# Altium PCB PCB_MPPT_21062020.PcbDoc (part 2 of 3)
Units mm, origin at the board's own origin, x right, y up, seen from the top; angles counter-clockwise.
Board outline 100 x 200 mm, 4 copper layers (Top Layer, INT1, INT2, Bottom Layer), stack 1.49 mm thick; 264 components, 155 nets, 784 pads, 240 vias.
Unrouted connection lines stored in the file: 13.
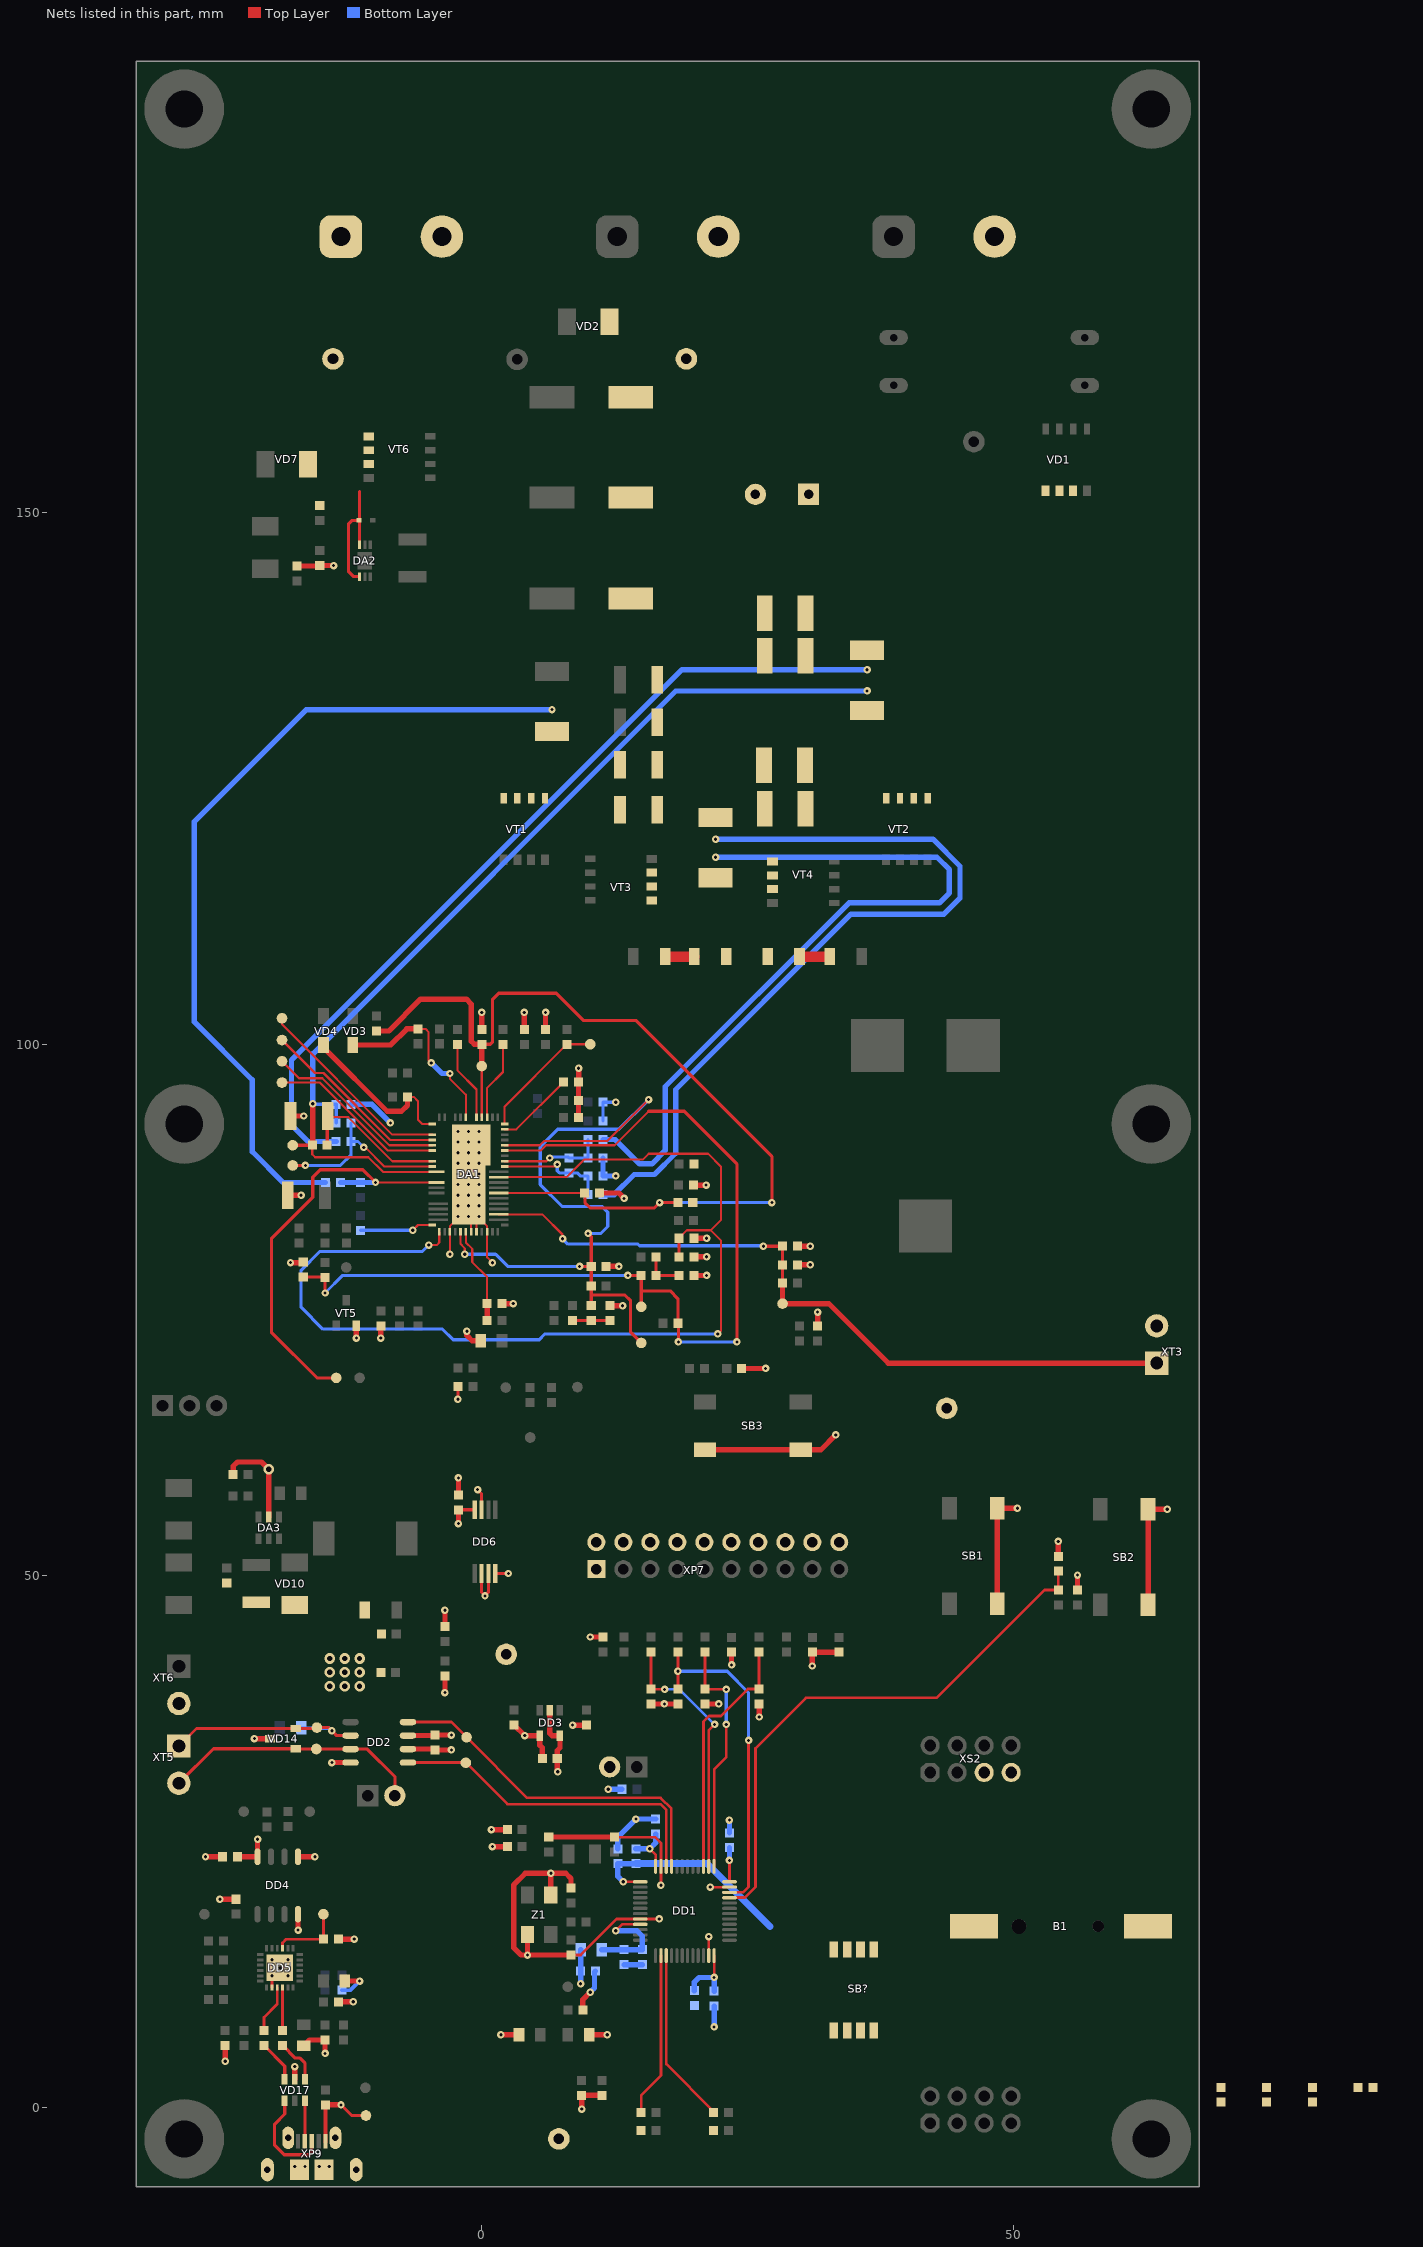
[diagram p4: the nets of this part, all layers, seen from the top]

## Part data
1 2 3 4 5 6 7 8 9 10 11 12 13 14 15 16 17 18 39 40 41 42 44 45 47 48 49 50: library part "TEST point", "Êîíòàêòíàÿ ïëîùàäêà áåç êîìïîíåíòà"
C1 C2 C3: library part Aluminium, Manufacturer=Panasonic, Package="8x8.3x10.5 mm", PartNumber=EEH-ZA1J330P, Temperature=-55...+105°C, Tolerance=±20%, TypeCapacitor=EP-cap, Voltage=63V, HelpURL=https://www.digikey.com/product-detail/en/panasonic-electronic-components/EEH-ZA1J330P/P15448CT-ND/3088162, Impedance=40mOhm, ValueManufacturerPartNumber="EP-cap, 33mk, 63V, ±20%"
C4 C5 C6 C7 C25 C40 C42: library part Ceramic_1210, Manufacturer=AVX, Package=1210, PartNumber=12101C225KAT2A, Temperature=-55...+125°C, Tolerance=±10%, TypeCapacitor="CAP CER", TypeDielectric=X7R, Voltage=100V, HelpURL=https://www.digikey.com/product-detail/en/avx-corporation/12101C225KAT2A/478-7974-1-ND/3881597, ValueManufacturerPartNumber="CAP CER, 2.2mk, X7R, ±10%, 100V, 1210"
  C40 C42: ClassName=Polygon_direct
C8 C9 C11 C12: library part Ceramic_1812, Manufacturer=TDK, Package=1812, PartNumber=C4532X7S2A475M230KB, Temperature=-55...+125°C, Tolerance=±20%, TypeCapacitor="CAP CER", TypeDielectric=X7S, Voltage=100V, HelpURL=https://www.digikey.com/product-detail/en/tdk-corporation/C4532X7S2A475M230KB/445-5211-1-ND/2116346, ValueManufacturerPartNumber="CAP CER, 4.7mk, X7S, ±20%, 100V, 1812"
C13: library part Aluminium, Manufacturer="United Chemi-Con", Package="dia=12.5 x h=25 x step=5 mm", PartNumber=EKZE101ELL221MK25S, Temperature=-40...+105°C, Tolerance=±20%, TypeCapacitor="CAP ALUM", Voltage=100V, ESR=47mOhm, HelpURL=https://www.digikey.com/product-detail/en/united-chemi-con/EKZE101ELL221MK25S/565-1739-ND/756255, ValueManufacturerPartNumber="CAP ALUM, 220mk, 100V, ±20%"
C14 C17 C33 C35 C46 C55: library part Ceramic_0603, Manufacturer=AVX, Package=0603, PartNumber=06031C103KAT2A, Temperature=-55...+125°C, Tolerance=±10%, TypeCapacitor="CAP CER", TypeDielectric=X7R, Voltage=100V, HelpURL=https://www.digikey.com/product-detail/en/avx-corporation/06031C103KAT2A/478-1205-2-ND/563315, ValueManufacturerPartNumber="CAP CER, 0.01mk, X7R, ±10%, 100V, 0603"
C15 C16: library part Ceramic_0603, Manufacturer=Murata, Package=0603, PartNumber=GRM188R71C474KA88D, Temperature=-55...+125°C, Tolerance=±10%, TypeCapacitor="CAP CER", TypeDielectric=X7R, Voltage=16V, HelpURL=https://www.digikey.com/product-detail/en/murata-electronics/GRM188R71C474KA88D/490-3295-1-ND/702836, ValueManufacturerPartNumber="CAP CER, 0.47mk, X7R, ±10%, 16V, 0603"
C18 C19: library part Ceramic_1206, Manufacturer=AVX, Package=1206, PartNumber=12061A102KAT2A, Temperature=-55...+125°C, Tolerance=±10%, TypeCapacitor="CAP CER", TypeDielectric=NP0, Voltage=100V, HelpURL=https://www.digikey.com/product-detail/en/avx-corporation/12061A102KAT2A/478-5168-1-ND/1913258, ValueManufacturerPartNumber="CAP CER, 1000p, NP0, ±10%, 100V, 1206"
C20: library part Ceramic_0603, Manufacturer=AVX, Package=0603, PartNumber=0603YC102MAT4A, Temperature=-55...+125°C, Tolerance=±20%, TypeCapacitor="CAP CER", TypeDielectric=X7R, Voltage=16V, HelpURL=https://www.digikey.com/products/en?keywords=0603YC102MAT4A, ValueManufacturerPartNumber="CAP CER, 1n, X7R, ±20%, 16V, 0603"
C21 C22: library part Ceramic_0603, Manufacturer=AVX, Package=0603, PartNumber=0603YC332MAT4A, Temperature=-55...+125°C, Tolerance=±20%, TypeCapacitor="CAP CER", TypeDielectric=X7R, Voltage=16V, HelpURL=https://www.digikey.com/products/en?keywords=0603YC102MAT4A, ValueManufacturerPartNumber="CAP CER, 3.3n, X7R, ±20%, 16V, 0603"
C23 C24: library part Ceramic_0603, Manufacturer=AVX, Package=0603, PartNumber=0603YD224KAT2A, Temperature=-55...+85°C, Tolerance=±20%, TypeCapacitor="CAP CER", TypeDielectric=X5R, Voltage=16V, HelpURL=https://www.digikey.com/product-detail/en/avx-corporation/0603YD224KAT2A/478-1246-1-ND/564278, ValueManufacturerPartNumber="CAP CER, 0.22mk, X5R, ±20%, 16V, 0603"
C26 C34 C38 C43 C44: library part Ceramic_0603, Manufacturer=AVX, Package=0603, PartNumber=06031C104KAT2A, Temperature=-55...+125°C, Tolerance=±10%, TypeCapacitor="CAP CER", TypeDielectric=X7R, Voltage=100V, HelpURL=https://www.digikey.com/product-detail/en/avx-corporation/06031C104KAT2A/478-10047-1-ND/6564270, ValueManufacturerPartNumber="CAP CER, 0.1mk, X7R, ±10%, 100V, 0603"
  C43 C44: ClassName=Polygon_direct
C27 C32 C53: library part Ceramic_0603, Manufacturer=AVX, Package=0603, PartNumber=0603YC105KAT2A, Temperature=-55...+125°C, Tolerance=±10%, TypeCapacitor="CAP CER", TypeDielectric=X7R, Voltage=16V, HelpURL=https://www.digikey.com/product-detail/en/avx-corporation/0603YC105KAT2A/478-5010-1-ND/1888221, ValueManufacturerPartNumber="CAP CER, 1mk, X7R, ±10%, 16V, 0603"
C28: library part Ceramic_1210, Manufacturer=AVX, Package=1210, PartNumber=12101C105KAT2A, Temperature=-55...+125°C, Tolerance=±10%, TypeCapacitor="CAP CER", TypeDielectric=X7R, Voltage=100V, HelpURL=https://www.digikey.com/product-detail/en/avx-corporation/12101C105KAT2A/478-2570-1-ND/717515, ValueManufacturerPartNumber="CAP CER, 1mk, X7R, ±10%, 100V, 1210"
C29 C30 C56: library part Ceramic_0603, Manufacturer=AVX, Package=0603, PartNumber=0603ZD225KAT2A, Temperature=-55...+85°C, Tolerance=±10%, TypeCapacitor="CAP CER", TypeDielectric=X5R, Voltage=10V, HelpURL=https://www.digikey.com/product-detail/en/avx-corporation/0603ZD225KAT2A/478-6212-1-ND/2391411, ValueManufacturerPartNumber="CAP CER, 2.2mk, X5R, ±10%, 10V, 0603"
C31 C67 C72: library part Ceramic_0805, Manufacturer=AVX, Package=0805, PartNumber=0805YC475KAT2A, Temperature=-55...+125°C, Tolerance=±10%, TypeCapacitor="CAP CER", TypeDielectric=X7R, Voltage=16V, HelpURL=https://www.digikey.com/product-detail/en/avx-corporation/0805YC475KAT2A/478-5722-1-ND/2136330, ValueManufacturerPartNumber="CAP CER, 4.7mk, X7R, ±10%, 16V, 0805"
C36: library part Ceramic_0603, Manufacturer=AVX, Package=0603, PartNumber=0603YC683KAT2A, Temperature=-55...+125°C, Tolerance=±10%, TypeCapacitor="CAP CER", TypeDielectric=X7R, Voltage=16V, HelpURL=https://www.digikey.com/product-detail/en/avx-corporation/0603YC683KAT2A/478-1237-1-ND/564269, ValueManufacturerPartNumber="CAP CER, 0.068mk, X7R, ±10%, 16V, 0603"
C37: library part Ceramic_0603, Manufacturer=AVX, Package=0603, PartNumber=06033A221JAT2A, Temperature=-55...+125°C, Tolerance=±5%, TypeCapacitor="CAP CER", TypeDielectric=X7R, Voltage=25V, HelpURL=https://www.digikey.com/product-detail/en/avx-corporation/06033A221JAT2A/478-12678-2-ND/1599160, ValueManufacturerPartNumber="CAP CER, 220p, X7R, ±5%, 25V, 0603"
C39: library part Ceramic_0603, Manufacturer=AVX, Package=0603, PartNumber=06035C682KAT2A, Temperature=-55...+125°C, Tolerance=±10%, TypeCapacitor="CAP CER", TypeDielectric=X7R, Voltage=50V, HelpURL=https://www.digikey.com/product-detail/en/avx-corporation/06035C682KAT2A/478-1225-1-ND/564257, ValueManufacturerPartNumber="CAP CER, 6.8n, X7R, ±10%, 50V, 0603"
C41: library part Ceramic_0805, Manufacturer=AVX, Package=0805, PartNumber=08051C104JAT2A, Temperature=-55...+125°C, Tolerance=±10%, TypeCapacitor="CAP CER", TypeDielectric=X7R, Voltage=100V, ClassName=Polygon_direct, HelpURL=https://www.digikey.com/product-detail/en/avx-corporation/08051C104JAT2A/478-5780-1-ND/2136372, ValueManufacturerPartNumber="CAP CER, 0.1mk, X7R, ±10%, 100V, 0805"
C45: library part Ceramic_1206, Manufacturer=TDK, Package=1206, PartNumber=C3216X5R1E476M160AC, Temperature=-55...+85°C, Tolerance=±10%, TypeCapacitor="CAP CER", TypeDielectric=X5R, Voltage=25V, ClassName=Polygon_direct, HelpURL=https://www.digikey.com/product-detail/en/tdk-corporation/C3216X5R1E476M160AC/445-8047-1-ND/2792164, ValueManufacturerPartNumber="CAP CER, 47mk, X5R, ±10%, 25V, 1206"
C51 C52 C54 C57 C60 C63 C64 C65 C66 C68 C69 C70 C71 C77: library part Ceramic_0603, Manufacturer=AVX, Package=0603, PartNumber=0603YC104KAT2A, Temperature=-55...+125°C, Tolerance=±10%, TypeCapacitor="CAP CER", TypeDielectric=X7R, Voltage=16V, HelpURL=https://www.digikey.com/product-detail/en/avx-corporation/0603YC104KAT2A/478-1239-1-ND/564271, ValueManufacturerPartNumber="CAP CER, 0.1mk, X7R, ±10%, 16V, 0603"
  C70 C71: ClassName=Polygon_direct
C61 C62: library part Ceramic_0603, Manufacturer=AVX, Package=0603, PartNumber=06035A160JAT2A, Temperature=-55...+125°C, Tolerance=±5%, TypeCapacitor="CAP CER", TypeDielectric=NP0, Voltage=50V, HelpURL=https://www.digikey.com/product-detail/en/avx-corporation/06035A160JAT2A/478-10292-1-ND/6797449, ValueManufacturerPartNumber="CAP CER, 16p, NP0, ±5%, 50V, 0603"
C74 C75: library part Ceramic_0603, Manufacturer=YAGEO, Package=0603, PartNumber=CC0603DRNPO9BN6R8, Temperature=-55...+125°C, Tolerance=±0.5pF, TypeCapacitor="CAP CER", TypeDielectric=NP0, Voltage=50V, HelpURL=https://www.electronshik.ru/item/YAG/CC0603DRNPO9BN6R8, ValueManufacturerPartNumber="CAP CER, 6.8p, NP0, ±0.5pF, 50V, 0603"
C76: library part Ceramic_0603, Manufacturer=AVX, Package=0603, PartNumber=0603ZD106MAT2A, Temperature=-55...+85°C, Tolerance=±10%, TypeCapacitor="CAP CER", TypeDielectric=X5R, Voltage=10V, HelpURL=https://www.digikey.com/product-detail/en/avx-corporation/0603ZD106MAT2A/478-8050-1-ND/3900666, ValueManufacturerPartNumber="CAP CER, 10mk, X5R, ±10%, 10V, 0603"
DA1: "BUCK-BOOST BAT CH", Battery Pack Voltage="1.3V ~ 80V", Frequency="over 300kHz", Manufacturer="Linear Technology", Package="64-QFN (7x11)", Temperature=-40...+125°C, ValueManufacturerPartNumber="Charger IC Lead Acid 64-QFN (7x11)", VoltageInput="80V max", ComponentType="DC/DC buck converter", HelpURL=https://www.digikey.com/product-detail/en/linear-technology-analog-devices/LT8491EUKJ-PBF/161-LT8491EUKJ-PBF-ND/11586954, PartNumber=LT8491EUKJ#PBF
DA2: library part LTC4359CDCB, "Ideal Diode Controller", Manufacturer="Linear Technology/Analog Devices", Package="6-DFN (2x3)", Temperature=-0...+70°C, VoltageInput="input 4...80V", ClassName=Polygon_direct, ComponentType="IC, Ideal Diode Controller", HelpURL=https://www.digikey.com/product-detail/en/linear-technology-analog-devices/LTC4359CDCB-TRMPBF/LTC4359CDCB-TRMPBFCT-ND/5223322, PartNumber=LTC4359CDCB, ValueManufacturerPartNumber="IC, Ideal Diode Controller, 6-DFN (2x3)"
DA3: library part LMR16006YDDCR, "Buck converter", CurrentOutput=0.6A, Frequency=2.1MHz, Manufacturer="Texas Instruments", Package=SOT23-6, Temperature=-40...+125°C, VoltageInput=4...60V, VoltageOutput=0.765...55V, ClassName=Polygon_direct, ComponentType="DC/DC buck converter", HelpURL=https://www.digikey.com/product-detail/en/texas-instruments/LMR16006YDDCR/296-40294-1-ND/5178171, PartNumber=LMR16006YDDCR, ValueManufacturerPartNumber="DC/DC buck converter, SOT23-6"
DD1: library part STM32F334C4T6, "Cortex-M4", Manufacturer=STMicroelectronics, Package=48-LQFP, PartNumber=STM32F334C8T6, Temperature=-40...+85°C, ComponentType="IC microcontroller", CoreProcessor=Cortex-M4, CoreSize=32-Bit, HelpURL=https://www.digikey.com/products/en?keywords=STM32F334C4T6, MemoryRAM=12KB, MemoryROM=64KB, Speed=72MHz, Supply=2...3.6V, ValueManufacturerPartNumber="IC microcontroller, 32-Bit, Cortex-M4, 72MHz, 64KB, 12KB, 48-LQFP"
DD2: library part SN65HVD231DR, "CAN", Manufacturer="Texas Instruments", Package=8-SOIC, Temperature=-40...+85°C, ComponentType="IC CAN transceiver", DataRate=1Mbps, HelpURL=https://www.digikey.com/product-detail/en/texas-instruments/SN65HVD231DR/296-26343-1-ND/2254977, PartNumber=SN65HVD231DR, Supply=3...3.6V, TypeDuplex=Half-duplex, ValueManufacturerPartNumber="IC CAN transceiver, 8-SOIC"
DD3: library part 24AA01T, "EEPROM", Manufacturer="Microchip Technology", Package=SOT-23-5, PartNumber=24CW1280T-I/OT, Temperature=-40...+85°C, ComponentType=EEPROM, HelpURL=https://www.digikey.com/product-detail/en/microchip-technology/24CW1280T-I-OT/24CW1280T-I-OTDKR-ND/9607118, InterfaceData=I2C, MemorySize="128KB (16Kx8)", Speed="400 kHz", Supply=1.7...5.5V, ValueManufacturerPartNumber="EEPROM, 128KB (16Kx8), 400 kHz, I2C, SOT-23-5"
DD4: library part ISO7721DR, "Digital isolator", Manufacturer="Texas Instruments", Package=8-SOIC, Temperature=-55...+125°C, ComponentType="IC digital isolator", DataRate=100Mbps, HelpURL=https://www.digikey.com/product-detail/en/texas-instruments/ISO7721DR/296-48296-1-ND/8347715, Isolation=3000Vrms, PartNumber=ISO7721DR, Supply=2.25...5.5V, ValueManufacturerPartNumber="IC digital isolator, 8-SOIC"
DD5: library part CP2102N_QFN24, "USB-to-UART", Manufacturer="Silicon Labs", Package=24-QFN(4x4), PartNumber=CP2102N-A02-GQFN24, Temperature=-40...+85°C, ComponentType="USB Bridge, USB to UART", HelpURL=https://www.digikey.com/product-detail/en/silicon-labs/CP2102N-A02-GQFN24/336-5887-ND/9863476, Standard=USB2.0, Supply=3...3.6V, ValueManufacturerPartNumber="USB Bridge, USB to UART, USB2.0, 24-QFN(4x4)"
DD6: library part AT24CM01-XHM-T, "EEPROM", Manufacturer="Microchip Technology", Package=8-TSSOP, Temperature=-40...+85°C, ValueManufacturerPartNumber="EEPROM Memory IC 1Mb (128K x 8) I?C 1MHz 550ns 8-TSSOP", ComponentType=EEPROM, HelpURL=https://www.digikey.com/product-detail/en/microchip-technology/AT24CM01-XHM-T/AT24CM01-XHM-TTR-ND/3913189, InterfaceData=I2C, MemorySize="1Mb (128K x 8)", PartNumber=AT24CM01-XHM-T, Speed=1MHz, Supply=1.7...5.5V
FU1: library part Fuse, Manufacturer=Littelfuse, MaxCurrent=10A, Package=5x20mm, PartNumber=01110506Z, VoltageMax=250VAC, FUSE=https://www.digikey.com/product-detail/en/bel-fuse-inc/5HT-10-R/507-1217-ND/1008989, HelpURL=https://www.digikey.com/product-detail/en/littelfuse-inc/01110506Z/F4083-ND/2519783, TypeFuse="FUSE CLIP", ValueManufacturerPartNumber="FUSE CLIP, 250VAC, 10A, 5x20mm"
JP2 JP3: library part Jumper_single, CurrentMax=3A, Manufacturer="Wurth Elektronik", PartNumber=61300411121, VoltageMax=500VAC, HelpURL=https://www.digikey.com/product-detail/en/w-rth-elektronik/61300411121/732-5317-ND/4846827, Multichannel=2pin, Pitch=2.54mm, TypeConnector="PLS-2 SINGLE ROW", ValueManufacturerPartNumber="PLS-2 SINGLE ROW, 2pin, 2.54mm, 500VAC, 3A"
  JP2: CommentText="\"120R\""
  JP3: CommentText="\"BOOT\""
JP4: library part Jumper_3pin, "PLS-3", CurrentMax=3A, Manufacturer=Connfly, PartNumber=DS1021-1x3, VoltageMax=500VAC, CommentText=PLS-3, HelpURL=https://www.chipdip.ru/product/pls-3?from=suggest_product, Multichannel=3pin, Pitch=2.54mm, TypeConnector="PLS-3 SINGLE ROW", ValueManufacturerPartNumber="PLS-3 SINGLE ROW, 3pin, 2.54mm, 500VAC, 3A"
L1: library part Inductor_R22.9/14/7.62, Current=12A, Manufacturer="Wurth Elektronik", Package="SMD Shielded", PartNumber=7443633300, Tolerance=±15%, TypeInductor="Fixed inductor", ClassName=Polygon_direct, HelpURL=https://www.digikey.com/product-detail/en/w-rth-elektronik/7443633300/732-2524-1-ND/2440407, HelpURL1=https://www.digikey.com/product-detail/en/w%C3%BCrth-elektronik/7443632200/732-2523-1-ND/2440406, TypeMatiriel="Ferrite (MnZn)", ValueManufacturerPartNumber="Fixed inductor, 22mkH, ±15%, SMD Shielded, Ferrite (MnZn), , 12A"
L2: library part Inductor_R22.9/14/7.62, Current=1.7A, Manufacturer="Bourns Inc.", Package="SMD Nonstandard", PartNumber=SRU8043-330Y, Tolerance=±15%, TypeInductor="Fixed inductor", ClassName=Polygon_direct, HelpURL=https://www.digikey.com/product-detail/en/bourns-inc/SRU8043-330Y/SRU8043-330YCT-ND/2353063, TypeMatiriel=Ferrite, ValueManufacturerPartNumber="Fixed inductor, 33mkH, ±15%, SMD Nonstandard, Ferrite, , 1.7A"
L3: library part Inductor_0805, Manufacturer="Murata Electronics", MaxCurrent=250mA, Package=0805, PartNumber=LQM21DH100M70L, Temperature=-55...+125°C, Tolerance=±20%, TypeInductor="Fixed inductor", ValueManufacturerPartNumber="Fixed inductor, 10?H, ±20%, 0805, 250mA", HelpURL=https://www.digikey.com/product-detail/en/murata-electronics/LQM21DH100M70L/490-18463-1-ND/10135474
NT1: library part NetTie, ClassName=Polygon_direct
R1: library part Resistor_2512, Manufacturer=Vishay, Package=2512, PartNumber=WSL25125L000FEA18, Power=2W, Temperature=-55...+125°C, Tolerance=±1%, TypeResistor="Res, SMD", HelpURL=https://www.digikey.com/product-detail/en/vishay-dale/WSL25125L000FEA18/WSLH-.005CT-ND/2695193, ValueManufacturerPartNumber="Res, SMD, 0.005, ±1%, 2512, 2W"
R2: library part Resistor_2512, Manufacturer=Vishay, Package=2512, PartNumber=WSL2512R0250FEA18, Power=2W, Temperature=-55...+125°C, Tolerance=±1%, TypeResistor="Res, SMD", HelpURL=https://www.digikey.com/product-detail/en/vishay-dale/WSL2512R0250FEA18/WSLH-.025CT-ND/2695207, HelpURL1=https://www.digikey.com/product-detail/en/vishay-dale/WSL2512R0120FEA18/WSLH-012TR-ND/2695048, ValueManufacturerPartNumber="Res, SMD, 0.012, ±1%, 2512, 2W"
R3 R4 R5 R14 R15: library part Resistor_0603, Manufacturer=Vishay, Package=0603, PartNumber=CRCW060310R0JNEAC, Power=0.1W, Temperature=-55...+125°C, Tolerance=±5%, TypeResistor="Res, SMD", HelpURL=https://www.digikey.com/product-detail/en/vishay-dale/CRCW060310R0JNEAC/541-4057-1-ND/7928740, ValueManufacturerPartNumber="Res, SMD, 10, ±5%, 0603, 0.1W"
R6 R7: library part Resistor_1206, Manufacturer=Vishay, Package=1206, PartNumber=CRCW12061R20FKEA, Power=0.25W, Temperature=-55...+125°C, Tolerance=±5%, TypeResistor="Resistor film", HelpURL=https://www.digikey.com/product-detail/en/vishay-dale/CRCW12061R20FKEA/541-1.20FFCT-ND/1962233, ValueManufacturerPartNumber="Resistor film, 1.2, ±5%, 1206, 0.25W"
R8 R9 R10 R11 R13: library part Resistor_0603, Manufacturer=Vishay, Package=0603, PartNumber=CRCW06033R00JNEA, Power=0.1W, Temperature=-55...+125°C, Tolerance=±5%, TypeResistor="Res, SMD", HelpURL=https://www.digikey.com/product-detail/en/vishay-dale/CRCW06033R00JNEA/541-3.0GCT-ND/1179308, ValueManufacturerPartNumber="Res, SMD, 3, ±5%, 0603, 0.1W"
R12: library part Resistor_2512, Manufacturer=Vishay, Package=2512, PartNumber=WSL25126L000FEA18, Power=2W, Temperature=-55...+125°C, Tolerance=±1%, TypeResistor="Res, SMD", HelpURL=https://www.digikey.com/product-detail/en/vishay-dale/WSL25126L000FEA18/WSLH-.006CT-ND/2695194, HelpURL1=https://www.digikey.com/product-detail/en/vishay-dale/WSL2512R0150FEA18/WSLH-015TR-ND/2695051, ValueManufacturerPartNumber="Res, SMD, 0.010, ±1%, 2512, 2W"
R16 R21 R37 R40 R43 R45 R54 R89 R112: library part Resistor_0603, Manufacturer=Vishay, Package=0603, PartNumber=CRCW06030000Z0EA, Power=0.1W, Temperature=-55...+125°C, Tolerance=±1%, TypeResistor="Res, SMD", HelpURL=https://www.digikey.com/product-detail/en/vishay-dale/CRCW06030000Z0EA/541-0.0GCT-ND/1179296, ValueManufacturerPartNumber="Res, SMD, 0, ±1%, 0603, 0.1W"
  R37 R45: ShowComment=OPT
  R54: ClassName=Polygon_direct
R17: library part Resistor_0603, Manufacturer=Vishay, Package=0603, PartNumber=CRCW060391K0FKEA, Power=0.1W, Temperature=-55...+125°C, Tolerance=±1%, TypeResistor="Res, SMD", ValueManufacturerPartNumber="Res, SMD, 107k, ±1%, 0603, 0.1W"
R18: library part Resistor_0603, Manufacturer=Vishay, Package=0603, PartNumber=CRCW06031M00FKEA, Power=0.1W, Temperature=-55...+125°C, Tolerance=±1%, TypeResistor="Res, SMD", ValueManufacturerPartNumber="Res, SMD, 820k, ±1%, 0603, 0.1W"
R19: library part Resistor_0603, Manufacturer=Vishay, Package=0603, PartNumber=CRCW0603196KFKEA, Power=0.1W, Temperature=-55...+125°C, Tolerance=±1%, TypeResistor="Res, SMD", HelpURL=https://www.digikey.com/product-detail/en/vishay-dale/CRCW0603196KFKEA/541-196KHCT-ND/1180069, ValueManufacturerPartNumber="Res, SMD, 196k, ±1%, 0603, 0.1W"
R20 R53 R101 R102 R105 R108: library part Resistor_0603, Manufacturer=Vishay, Package=0603, PartNumber=CRCW06031K00FKEA, Power=0.1W, Temperature=-55...+125°C, Tolerance=±1%, TypeResistor="Res, SMD"
  R20: ValueManufacturerPartNumber="Res, SMD, 0, ±1%, 0603, 0.1W"
  R53 R101 R102 R108: HelpURL=https://www.digikey.com/product-detail/en/vishay-dale/CRCW06031K00FKEA/541-1.00KHCT-ND/1179809, ValueManufacturerPartNumber="Res, SMD, 1k, ±1%, 0603, 0.1W"
  R105: ClassName=Polygon_direct, HelpURL=https://www.digikey.com/product-detail/en/vishay-dale/CRCW06031K00FKEA/541-1.00KHCT-ND/1179809, ValueManufacturerPartNumber="Res, SMD, 1k, ±1%, 0603, 0.1W"
R22 R110: library part Resistor_0603, Manufacturer=Vishay, Package=0603, PartNumber=CRCW060322K6FKEA, Power=0.1W, Temperature=-55...+125°C, Tolerance=±1%, TypeResistor="Res, SMD"
  R22: ValueManufacturerPartNumber="Res, SMD, 24k, ±1%, 0603, 0.1W"
  R110: HelpURL=https://www.digikey.com/product-detail/en/vishay-dale/CRCW060322K6FKEA/541-22.6KHCT-ND/1179962, ValueManufacturerPartNumber="Res, SMD, 22.6k, ±1%, 0603, 0.1W"
R23: library part Resistor_0603, Manufacturer=Vishay, Package=0603, PartNumber=CRCW0603115KFKEA, Power=0.1W, Temperature=-55...+125°C, Tolerance=±1%, TypeResistor="Res, SMD", ValueManufacturerPartNumber="Res, SMD, 120k, ±1%, 0603, 0.1W"
R24 R56: library part Resistor_0603, Manufacturer=Vishay, Package=0603, PartNumber=CRCW060328K0FKEAHP, Power=0.1W, Temperature=-55...+125°C, Tolerance=±1%, TypeResistor="Res, SMD"
  R24: ValueManufacturerPartNumber="Res, SMD, 8.66k, ±1%, 0603, 0.1W"
  R56: HelpURL=https://www.digikey.com/product-detail/en/vishay-dale/CRCW060328K0FKEAHP/541-28.0KSCT-ND/2826000, ValueManufacturerPartNumber="Res, SMD, 28k, ±1%, 0603, 0.1W"
R25: library part Resistor_0603, Manufacturer=Vishay, Package=0603, PartNumber=CRCW06035K60FKEA, Power=0.1W, Temperature=-55...+125°C, Tolerance=±1%, TypeResistor="Res, SMD", ValueManufacturerPartNumber="Res, SMD, 1.69k, ±1%, 0603, 0.1W"
R26: library part Resistor_0603, Manufacturer=Vishay, Package=0603, PartNumber=CRCW0603200KFKEAC, Power=0.1W, Temperature=-55...+125°C, Tolerance=±1%, TypeResistor="Res, SMD", HelpURL=https://www.digikey.com/product-detail/en/vishay-dale/CRCW0603200KFKEAC/541-4027-1-ND/7928710, ValueManufacturerPartNumber="Res, SMD, 200k, ±1%, 0603, 0.1W"
R27: library part Resistor_0603, Manufacturer=Vishay, Package=0603, PartNumber=CRCW060320K0FKEC, Power=0.1W, Temperature=-55...+125°C, Tolerance=±1%, TypeResistor="Res, SMD", HelpURL=https://www.digikey.com/product-detail/en/vishay-dale/CRCW060320K0FKEC/541-2993-1-ND/6073636, ValueManufacturerPartNumber="Res, SMD, 20k, ±1%, 0603, 0.1W"
R28: library part Resistor_0603, Manufacturer=Vishay, Package=0603, PartNumber=CRCW06038K06FKEA, Power=0.1W, Temperature=-55...+125°C, Tolerance=±1%, TypeResistor="Res, SMD", HelpURL=https://www.digikey.com/product-detail/en/vishay-dale/CRCW06038K06FKEA/541-8.06KHCT-ND/1179912, ValueManufacturerPartNumber="Res, SMD, 8.06k, ±1%, 0603, 0.1W"
R29: library part Resistor_0603, Manufacturer=Vishay, Package=0603, PartNumber=CRCW060311K3FKEA, Power=0.1W, Temperature=-55...+125°C, Tolerance=±1%, TypeResistor="Res, SMD", ValueManufacturerPartNumber="Res, SMD, 4.87k, ±1%, 0603, 0.1W"
R30 R50 R88: library part Resistor_0603, Manufacturer=Vishay, Package=0603, PartNumber=CRCW0603100KFKEA, Power=0.1W, Temperature=-55...+125°C, Tolerance=±1%, TypeResistor="Res, SMD", HelpURL=https://www.digikey.com/product-detail/en/vishay-dale/CRCW0603100KFKEA/541-100KHCT-ND/1180038, ValueManufacturerPartNumber="Res, SMD, 100k, ±1%, 0603, 0.1W"
R31: library part Resistor_0603, Manufacturer=Vishay, Package=0603, PartNumber=CRCW06031K30FKEA, Power=0.1W, Temperature=-55...+125°C, Tolerance=±1%, TypeResistor="Res, SMD", HelpURL=https://www.digikey.com/product-detail/en/vishay-dale/CRCW06031K30FKEA/541-1.30KHCT-ND/1179821, ValueManufacturerPartNumber="Res, SMD, 1.3k, ±1%, 0603, 0.1W"
R32: library part Resistor_0603, Manufacturer=Vishay, Package=0603, PartNumber=CRCW06031R00FKEAC, Power=0.1W, Temperature=-55...+125°C, Tolerance=±1%, TypeResistor="Res, SMD", HelpURL=https://www.digikey.com/product-detail/en/vishay-dale/CRCW06031R00FKEAC/541-3956-1-ND/7928639, ValueManufacturerPartNumber="Res, SMD, 1, ±1%, 0603, 0.1W"
R33: library part Resistor_0603, Manufacturer=Vishay, Package=0603, PartNumber=CRCW0603549RFKEA, Power=0.1W, Temperature=-55...+125°C, Tolerance=±1%, TypeResistor="Res, SMD", HelpURL=https://www.digikey.com/product-detail/en/vishay-dale/CRCW0603549RFKEA/541-549HCT-ND/1179779, ValueManufacturerPartNumber="Res, SMD, 549, ±1%, 0603, 0.1W"
R34: library part Resistor_0603, Manufacturer=Vishay, Package=0603, PartNumber=CRCW060321K0FKEA, Power=0.1W, Temperature=-55...+125°C, Tolerance=±1%, TypeResistor="Res, SMD", HelpURL=https://www.digikey.com/product-detail/en/vishay-dale/CRCW060321K0FKEA/541-21.0KHCT-ND/1179958, ValueManufacturerPartNumber="Res, SMD, 21k, ±1%, 0603, 0.1W"
R35 R38 R39 R49 R60 R61 R62 R63 R77 R92 R94 R97 R99 R100 R109 R111 R113 R114 R115 R116 R117 R118 R119 R120 R121: library part Resistor_0603, Manufacturer=Vishay, Package=0603, PartNumber=CRCW060310K0JNEAC, Power=0.1W, Temperature=-55...+125°C, Tolerance=±5%, TypeResistor="Res, SMD", HelpURL=https://www.digikey.com/product-detail/en/vishay-dale/CRCW060310K0JNEAC/541-3957-1-ND/7928640, ValueManufacturerPartNumber="Res, SMD, 10k, ±5%, 0603, 0.1W"
R36: library part Resistor_0603, Manufacturer=Vishay, Package=0603, PartNumber=CRCW06033K01FKEA, Power=0.1W, Temperature=-55...+125°C, Tolerance=±1%, TypeResistor="Res, SMD", HelpURL=https://www.digikey.com/product-detail/en/vishay-dale/CRCW06033K01FKEA/541-3.01KHCT-ND/1179862, ValueManufacturerPartNumber="Res, SMD, 3.01k, ±1%, 0603, 0.1W"
R41: library part Resistor_0603, Manufacturer=Vishay, Package=0603, PartNumber=CRCW0603215KFKEA, Power=0.1W, Temperature=-55...+125°C, Tolerance=±1%, TypeResistor="Res, SMD", HelpURL=https://www.digikey.com/product-detail/en/vishay-dale/CRCW0603215KFKEA/541-215KHCT-ND/1180073, ValueManufacturerPartNumber="Res, SMD, 215k, ±1%, 0603, 0.1W"
R42: library part Resistor_0603, Manufacturer=Vishay, Package=0603, PartNumber=CRCW060353K6FKEA, Power=0.1W, Temperature=-55...+125°C, Tolerance=±1%, TypeResistor="Res, SMD", HelpURL=https://www.digikey.com/product-detail/en/vishay-dale/CRCW060353K6FKEA/541-53.6KHCT-ND/1180007, ValueManufacturerPartNumber="Res, SMD, 53.6k, ±1%, 0603, 0.1W"
R44: library part Resistor_0603, Manufacturer=Vishay, Package=0603, PartNumber=CRCW060325K5FKEA, Power=0.1W, Temperature=-55...+125°C, Tolerance=±1%, TypeResistor="Res, SMD", HelpURL=https://www.digikey.com/product-detail/en/vishay-dale/CRCW060325K5FKEA/541-25-5KHCT-ND/1179968, ValueManufacturerPartNumber="Res, SMD, 25.5k, ±1%, 0603, 0.1W"
R46: library part Resistor_0603, Manufacturer=Vishay, Package=0603, PartNumber=CRCW060311K5FKEA, Power=0.1W, Temperature=-55...+125°C, Tolerance=±1%, TypeResistor="Res, SMD", HelpURL=https://www.digikey.com/product-detail/en/vishay-dale/CRCW060311K5FKEA/541-11.5KHCT-ND/1179930, ValueManufacturerPartNumber="Res, SMD, 11.5k, ±1%, 0603, 0.1W"